# KiCad board PCB0150.kicad_pcb (continued)
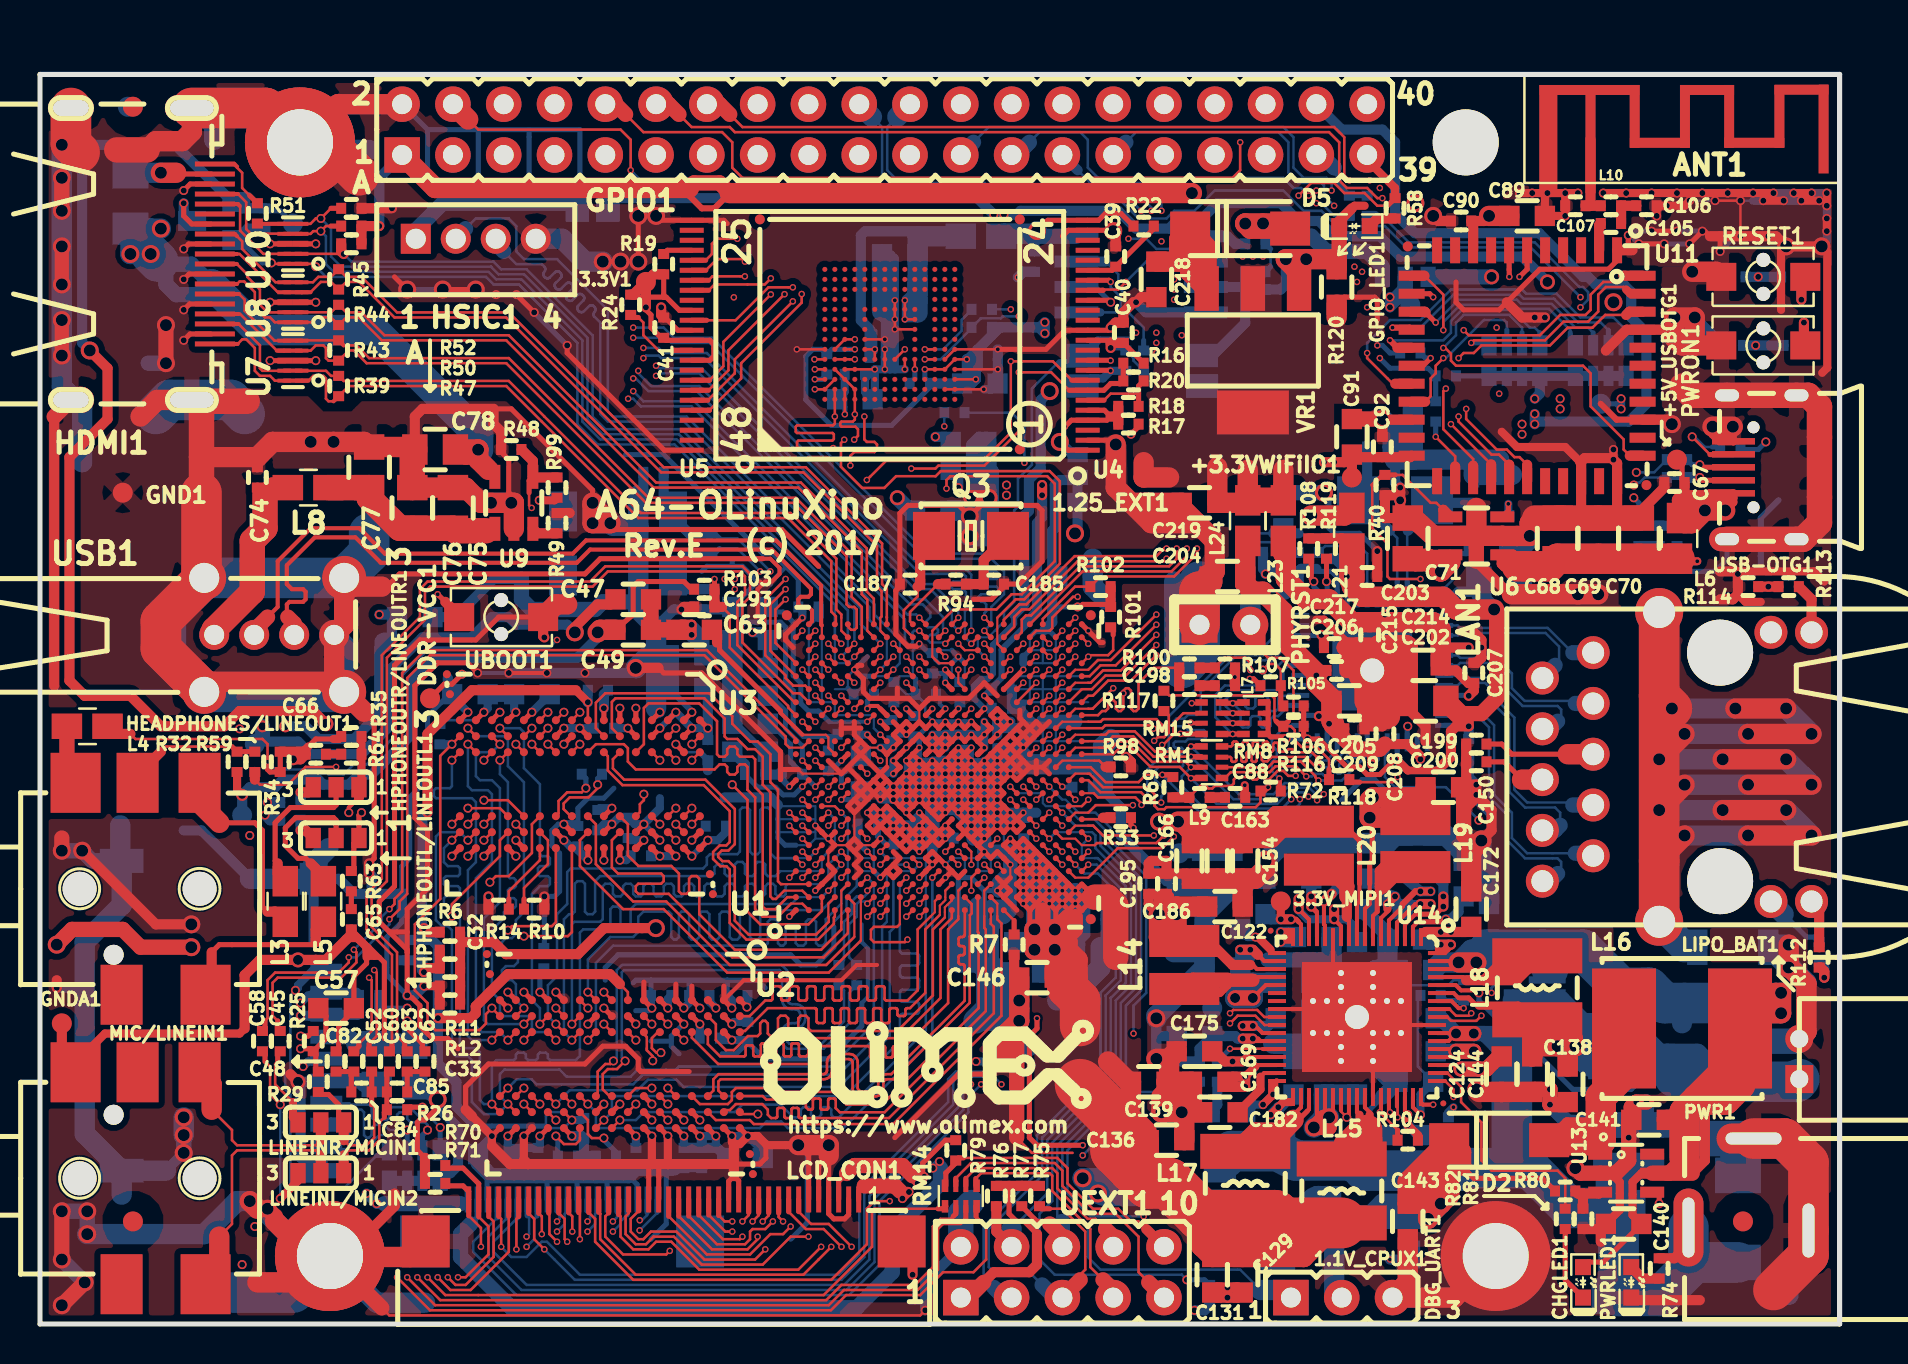
[diagram p0: board, top side]
## Routing (per net, layer and track width the routed paths; a pad name or vN(x,y) marks a point on that pad's centre or on a via; arc(x,y) is an arc through that point) (continued)
  In1.Cu w0.107: 52.1,26.55 48.2,26.55 v5(47.88,26.22) ; 52.1,26.55 53.07,26.55 ; 52.1,26.55 52.1,25.9 ; 48.85,24.6 49.5,24.6 ; 48.85,24.6 48.85,23.95 ; 48.85,24.6 v4(48.53,24.92) ; 49.5,24.6 53.07,24.6 ; 49.5,24.6 49.5,23.95 ; 49.5,23.95 50.15,23.95 ; 49.5,23.95 49.5,23.3 ; 50.15,23.95 51.45,23.95 ; 50.15,23.95 50.15,29.15 ; 52.1,23.95 52.75,23.95 ; 52.1,23.95 51.45,23.95 ; 52.1,23.95 52.1,23.3 ; 52.1,23.3 50.8,23.3 ; 52.1,23.3 52.75,23.3 ; 52.1,23.3 52.1,22.65 ; 50.8,23.3 50.15,23.3 50.15,22.65 ; 50.8,23.3 50.8,29.15 ; 50.8,23.3 50.8,22.65 ; 50.8,22.65 51.12,22.65 ; 50.8,22.65 50.8,22 ; 51.12,22.65 51.45,22.65 ; 51.12,22.65 51.12,22 51.45,22 ; 51.45,22.65 52.1,22.65 ; 51.45,22.65 51.45,23.95 ; 51.45,22 53.07,22 ; 51.45,22 51.45,20.7 ; 48.85,23.95 48.85,22 ; 48.85,23.95 48.2,23.95 ; 48.85,22 48.85,20.7 ; 48.85,22 50.8,22 ; 48.2,23.95 47.55,23.95 ; 48.2,23.95 U1.U7 v4(48.53,24.92) ; 48.2,23.95 U1.U2 ; 47.55,23.95 U1.R6 ; 47.55,23.95 47.55,21.03 ; U1.R6 46.25,23.95 ; U1.R6 46.9,22.65 ; 46.25,23.95 45.6,23.95 ; 46.25,23.95 46.25,21.35 45.93,21.35 ; 45.6,23.95 44.95,23.95 ; 45.6,23.95 45.6,23.3 ; 44.95,23.95 44.3,23.95 ; 44.95,23.95 44.95,24.6 ; 44.95,23.95 44.95,20.05 ; 44.3,23.95 U1.G6 ; 44.3,23.95 44.3,21.35 ; 44.3,23.95 44.3,24.6 ; U1.G6 38.45,23.95 ; U1.G6 41.7,19.72 ; 43.65,22 U1.K8 v4(43.32,25.58) 43,25.25 43,19.72 ; 43.65,22 43.65,19.72 ; 43.65,22 41.05,22 ; 38.45,23.95 37.8,23.95 ; 38.45,23.95 38.45,32.4 ; 38.45,23.95 38.45,21.35 ; 37.8,23.95 36.82,23.95 ; 37.8,23.95 37.8,21.35 ; 39.75,22.65 U1.L4 v4(43.97,22.33) ; 39.75,22.65 37.15,22.65 ; 39.75,22.65 39.75,31.75 ; 37.15,23.3 U1.L5 v4(44.62,22.97) ; 37.8,24.6 U1.P7 v5(46.57,24.92) ; 37.8,24.6 36.82,24.6 ; 37.8,24.6 37.8,27.53 ; 41.7,25.25 U1.M8 v4(45.28,25.58) ; 41.7,25.25 41.05,25.25 ; 41.7,25.25 41.7,27.85 ; 41.05,25.25 36.82,25.25 ; 41.05,25.25 41.05,25.9 ; 42.35,27.85 43,27.85 v4(43.32,27.53) ; 42.35,27.85 41.7,27.85 ; 42.35,27.85 U1.H13 ; U1.H13 37.47,28.5 ; U1.H13 v4(42.68,28.83) ; 37.15,29.15 U1.J14 v4(43.32,29.47) ; U1.J15 42.35,29.8 ; U1.J15 43,31.42 ; U1.J15 v4(43.32,29.47) ; 42.35,29.8 40.4,29.8 ; 42.35,29.8 42.35,33.7 ; 45.6,29.15 43.65,29.15 v4(43.32,29.47) ; 45.6,29.15 46.25,29.15 ; 45.6,29.15 45.6,30.12 ; U1.R15 48.2,29.8 ; U1.R15 v4(46.57,30.12) 46.9,30.45 ; U1.R15 46.9,29.15 ; 48.2,29.8 51.78,29.8 ; 48.2,29.8 48.2,30.45 ; 41.05,31.1 41.05,31.75 ; 41.05,31.1 41.05,30.45 ; 41.05,31.1 40.4,31.1 ; 41.05,31.75 41.05,33.7 ; 41.05,31.75 40.4,31.75 ; 41.05,33.7 41.05,35.65 ; 41.05,33.7 37.15,33.7 ; 45.6,30.12 45.6,32.4 ; 45.6,30.12 v4(45.28,30.12) ; 45.6,32.4 45.6,35.97 ; 45.6,32.4 44.95,32.4 ; 46.25,30.12 46.25,35.97 ; 46.25,30.12 46.25,29.15 ; 46.25,30.12 v4(45.93,30.12) ; 46.9,30.45 46.9,31.1 ; 46.9,30.45 47.55,30.45 ; 46.9,31.1 46.9,32.4 ; 46.9,31.1 47.55,31.1 ; 44.95,31.42 44.95,28.5 v4(45.28,28.17) ; 48.85,31.1 U1.V14 v4(49.18,28.83) ; 48.85,31.1 48.85,31.75 ; 48.85,31.1 51.78,31.1 ; 49.5,29.15 50.15,29.15 ; 49.5,29.15 47.55,29.15 ; 49.5,29.15 49.5,30.45 ; 50.15,29.15 50.8,29.15 ; 50.15,29.15 50.15,35 ; 50.8,29.15 51.45,29.15 ; 50.8,29.15 50.8,34.35 ; 48.85,31.75 48.85,34.35 ; 48.85,31.75 51.78,31.75 ; 48.85,34.35 48.85,35.97 ; 48.85,34.35 44.95,34.35 ; 46.9,32.4 46.9,35.97 ; 46.9,32.4 52.1,32.4 ; 41.05,27.2 41.05,30.45 ; 41.05,27.2 41.05,26.55 ; 41.05,27.2 36.82,27.2 ; 41.05,30.45 40.4,30.45 ; 41.05,30.45 41.7,30.45 ; 41.05,26.55 41.05,25.9 ; 41.05,26.55 36.82,26.55 ; 41.05,25.9 39.1,25.9 ; 40.4,31.75 39.75,31.75 ; 40.4,31.75 40.4,35.65 ; 39.75,31.75 39.1,31.75 ; 39.75,31.75 39.75,33.05 ; 39.1,31.75 37.47,31.75 ; 39.1,31.75 39.1,25.9 ; 39.1,31.75 39.1,32.4 ; 53.07,25.25 U1.V8 v4(48.53,24.92) ; 49.5,25.9 52.1,25.9 ; 49.5,25.9 49.5,27.2 48.85,27.2 ; 49.5,25.9 v4(49.18,25.58) ; 52.1,25.9 53.07,25.9 ; 41.7,27.85 37.15,27.85 ; 41.7,27.85 41.7,30.45 ; 43,31.42 43,35 ; 43,31.42 43.65,31.42 43.65,32.4 ; 43.65,32.4 43.65,35 ; 43.65,32.4 41.7,32.4 ; 46.25,29.15 46.9,29.15 ; 46.9,29.15 47.55,29.15 ; 47.55,29.15 47.55,30.45 ; 49.5,30.45 49.5,34.67 ; 49.5,30.45 48.2,30.45 ; 47.55,30.45 48.2,30.45 ; 38.45,34.35 38.45,35 v4(38.12,35.33) ; 38.45,34.35 38.45,33.05 ; 38.45,34.35 39.1,34.35 ; 39.1,25.9 37.15,25.9 ; 41.7,30.45 41.7,32.4 ; 41.7,32.4 41.7,33.7 ; 44.3,21.35 44.3,20.7 ; 44.3,21.35 41.05,21.35 ; 44.3,20.7 44.3,19.72 ; 44.3,20.7 41.05,20.7 ; 38.45,33.05 38.45,32.4 ; 38.45,33.05 39.75,33.05 ; 38.45,32.4 39.1,32.4 ; 39.75,33.05 39.75,34.67 ; 39.1,32.4 39.1,34.35 ; 39.1,34.35 39.1,35 ; 41.7,33.7 41.7,35.65 ; 41.7,33.7 42.35,33.7 ; 43.65,35 43.65,35.65 ; 43.65,35 47.55,35 ; 52.1,34.35 U1.AC23 51.45,35 51.45,33.05 41.05,33.05 v4(40.72,32.72) ; 52.1,34.35 52.1,33.05 52.75,33.05 ; 52.1,34.35 50.8,34.35 ; 50.8,34.35 50.8,35.65 ; 48.85,27.2 48.85,25.58 ; 48.85,27.2 v4(48.53,27.53) ; 45.6,23.3 45.6,21.03 ; 45.6,23.3 49.5,23.3 ; 49.5,23.3 49.5,20.7 ; 52.1,22.65 52.75,22.65 ; 46.9,22.65 46.9,21.35 ; 46.9,22.65 50.15,22.65 ; 50.15,22.65 50.15,20.7 ; 50.8,22 50.8,20.7 ; U1.U2 48.2,20.7 ; U1.U2 52.1,21.35 ; 40.4,31.1 37.47,31.1 ; 40.4,31.1 40.4,30.45 ; 40.4,30.45 37.47,30.45 ; 42.35,33.7 42.35,35.65 ; 42.35,33.7 52.75,33.7 ; v4(47.88,28.17) U1.T13
  In1.Cu w0.127: U2.P9 U2.M9 ; U2.P9 24.6,15.4 ; U2.P9 v3(24.2,9.4) ; U2.M9 27,9.8 ; U2.M9 26.2,15.4 ; 25.4,15.4 25.4,16.2 v3(25.8,16.6) U2.M1 28.6,16.2 ; 25.4,15.4 25.4,11.4 ; 25.4,15.4 24.6,15.4 ; 25.4,15.4 26.2,15.4 ; 25.4,11.4 25.4,10.6 ; 25.4,11.4 22.9,11.4 ; 24.6,15.4 23.8,15.4 ; 23.8,15.4 23.2,15.4 ; 23.8,15.4 23.8,14.6 ; 26.2,15.4 27,15.4 ; 27,15.4 27.8,15.4 ; 27,15.4 27,9.8 ; 27,9.8 27.8,9.8 ; 27.8,15.4 30.2,15.4 ; 27.8,15.4 27.8,9.8 ; 27.8,15.4 27.8,17.5 ; 27.8,9.8 28.6,9.8 ; 30.2,15.4 31,15.4 ; 30.2,15.4 30.2,14.6 ; 28.6,9.8 32.6,9.8 ; 28.6,9.8 U2.J8 v3(29,11) 29.4,11.4 30.2,11.4 ; 32.6,9.8 33.4,9.8 ; 32.6,9.8 32.6,9.1 ; 25.4,10.6 25.4,9.1 ; 25.4,10.6 U2.G8 ; v3(32.2,10.2) U2.E8 31,10.6 ; 31,10.6 U2.G8 ; 31,10.6 31,12.2 ; 30.2,11.4 31.8,11.4 ; 30.2,11.4 U2.G8 ; 23.8,14.6 23.8,9.9 ; 23.8,14.6 30.2,14.6 ; v3(34.6,14.2) U2.B3 30.2,14.6 ; 31,15.4 U2.E2 ; 31,15.4 31,14.5 ; 23,14.9 U2.T9 v3(22.6,9.4) ; 33.4,9.8 U2.B9 ; 33.4,9.8 33.4,9.1 ; U3.T9 21,25.4 ; U3.T9 v3(20.6,23.4) ; U3.T9 21.8,23.8 ; 21,25.4 33,25.4 33,24.6 ; 21,25.4 21,28.6 ; v3(29.4,29.8) 29,29.4 21,29.4 21,28.6 ; 33,24.6 20.2,24.6 ; 33,24.6 v3(33.4,24.2) U3.A9 U3.B9 ; 21,28.6 22.6,28.6 ; 21,28.6 20.3,28.6 ; 33,29.4 33,28.6 26.6,28.6 ; 33,29.4 33,30.2 31.4,30.2 ; 33,29.4 32.2,29.4 ; U3.B9 21.8,23.8 ; U3.B9 32.2,29.4 ; v3(32.6,30.6) U3.B1 32.2,29.4 ; 31.4,30.2 31.4,22.8 ; 31.4,30.2 25,30.2 ; 26.6,28.6 25.8,28.6 ; 26.6,28.6 26.6,31.1 ; 25.8,28.6 25,28.6 ; 25.8,28.6 25.8,31.1 ; 25,28.6 24.2,28.6 ; 25,28.6 25,30.2 ; 24.2,28.6 23.4,28.6 ; 24.2,28.6 U3.M1 v3(24.6,30.6) 25,30.2 ; 23.4,28.6 22.6,28.6 ; 23.4,28.6 23.4,30.2 v3(23,30.6) ; 22.6,28.6 22.6,27.7 ; 21.8,23.8 21.8,26.7
  In1.Cu w0.508: v3(7.19,49.2) 6.9,48.91 6.9,48.8
  In1.Cu w0.762: v2(6.3,49.96) 6.9,49.36 6.9,48.82 ; v2(11.38,5.77) 9.98,5.77 8.97,4.75 8.97,1.58
  In1.Cu w1.016: 6.9,48.91 6.9,47.7 ; 7.45,46.22 6.9,46.22 6.9,47.7 ; 6.9,47.7 6.9,47 6.12,46.22 4.27,46.22 ; 1.35,46.22 1.05,46.22 4.27,46.22 ; 3,60.6 2.78,60.82 1.05,60.82 1.35,60.82 ; 3,60.6 6.68,60.6 6.9,60.82 7.45,60.82 ; 3,60.6 3,49.96 4.27,48.7 4.27,46.22 ; 9.22,45.26 8.27,46.22 7.85,46.22 8.58,46.96 8.58,47.68 ; 1.22,43.61 1.22,45.69 1.75,46.22 1.47,46.49 1.47,47.68 ; 7.95,58.47 7.95,60.72 7.85,60.82 ; 1.35,58.6 1.35,60.42 1.75,60.82 ; 21.28,1.07 16.79,1.07 14.5,3.35
  In1.Cu w1.27: 17.47,33.45 16.46,34.47 USB1.4
  In1.Cu w2.032: 82.63,12.5 82.63,10.59 83.94,9.28 87.37,9.28 ; 67.51,19.23 67.51,17.01 U14.69 ; 64.08,18.85 64.08,17.13 U14.69 ; 63.32,16.18 65.04,16.18 U14.69 ; 62.94,14.53 65.04,14.53 U14.69 ; 62.69,12.88 63.39,12.88 U14.69 ; 64.97,12.24 64.97,14.47 U14.69 ; 66.62,12.5 66.62,14.59 U14.69 ; 68.91,12.75 68.47,12.75 U14.69 ; 69.04,14.66 66.56,14.66 U14.69 ; 69.42,16.31 66.81,16.31 U14.69 ; 8.97,1.58 12.67,1.58 Mounting_hole2.0 14.5,3.35 ; 14.5,3.35 14.5,7.72 ; 14.5,3.35 16.46,3.35 17.73,4.62 19.51,4.62 ; 18.11,30.66 16.17,30.66 USB1.0 USB1.0 ; 17.73,37.52 17.6,37.52 17.4,37.32 USB1.0 USB1.0 ; HDMI1.0 11.09,60.82 12.9,59 ; 12.52,55.42 12.52,58.62 12.9,59 ; 15.57,55.68 15.57,56.34 12.98,58.93 ; 12.98,58.93 11.84,58.93 9.6,56.69 ; 12.98,58.93 12.9,59 ; U14.69 65.86,19.23 ; 57.99,36.88 PHYRST1.1 57.99,33.45
  In1.Cu w2.54: Mounting_hole3.0 12.9,59 14.91,61.01 GPIO1.2
  In2.Cu w0.107: 43.65,23.3 43.65,22.65 43,22.65 ; 43.65,23.3 43.65,23.95 43.65,24.6 ; 43.65,23.3 47.55,23.3 ; U1.K8 v4(43.32,25.58) 43,25.58 43,23.95 45.6,23.95 ; U1.K8 43.65,24.6 ; U1.K8 45.6,25.25 ; v5(44.62,26.22) U1.L9 U1.L5 v4(44.62,22.97) ; v4(45.28,25.58) U1.M8 44.95,23.3 v4(45.28,22.97) 45.6,23.3 45.6,23.95 ; 45.6,23.95 45.6,24.6 ; 45.6,25.25 v4(45.93,25.58) ; 45.6,25.25 45.6,24.6 ; 46.25,22 U1.P7 v5(46.57,24.92) ; 46.9,22.65 U1.R5 v4(47.22,23.62) 47.55,23.3 ; 46.9,22.65 46.9,22 ; 46.9,22.65 47.55,22.65 ; 47.55,23.3 47.55,22.65 ; 47.55,22.65 47.55,22 ; 51.45,34.35 52.1,34.35 v4(52.43,34.67) ; 51.45,34.35 47.88,34.35 ; 51.45,34.35 51.45,35 U1.AC23 ; 43.65,24.6 45.6,24.6 ; U1.D7 40.4,24.6 ; U1.D7 v4(39.43,24.28) 39.75,23.95 ; U1.D7 39.75,25.25 ; 40.4,24.6 40.4,25.25 ; 40.4,24.6 40.4,23.95 ; 39.75,23.3 40.4,23.3 40.4,23.95 ; 39.75,23.3 39.75,23.95 ; 39.75,23.3 39.75,22.65 40.4,22.65 ; 40.4,23.95 39.75,23.95 ; 39.75,25.9 38.78,25.9 38.78,25.25 ; 39.75,25.9 39.75,25.25 ; 39.75,25.9 39.75,26.55 ; 39.75,25.9 40.4,25.9 40.4,25.25 ; 38.78,25.25 v4(38.78,24.92) ; 38.78,25.25 39.75,25.25 ; 40.4,25.25 39.75,25.25 ; U1.R15 46.9,29.15 v4(46.57,28.83) ; U1.R15 46.9,30.45 ; U1.R15 47.55,29.8 ; U1.R15 46.25,29.8 ; 46.9,31.1 48.85,31.1 48.85,34.67 ; 46.9,31.1 46.9,30.45 ; 46.9,31.1 46.9,31.75 47.55,31.75 ; 46.9,30.45 47.55,30.45 ; 44.95,28.5 U1.M15 U1.N15 ; U1.N15 46.25,29.8 ; U1.N15 U1.N13 ; 46.25,29.8 46.25,28.83 ; 41.7,25.25 41.7,26.22 v4(42.03,26.22) ; 43.65,22 42.35,22 v4(42.03,22.33) ; 47.55,29.15 44.3,29.15 v4(43.97,28.83) ; 47.55,29.15 48.2,29.15 ; 47.55,29.15 47.55,29.8 ; 47.55,29.8 48.2,29.8 ; 47.55,29.8 47.55,30.45 ; 48.2,29.8 48.85,29.8 ; 48.2,29.8 48.2,30.45 ; 47.88,34.35 48.2,34.35 47.88,34.35 ; 50.8,35 50.8,33.7 50.15,33.7 ; 49.5,35 49.5,33.05 47.88,33.05 ; 50.15,33.7 47.88,33.7 ; 50.15,33.7 50.15,35 ; 47.55,30.45 48.2,30.45 ; 48.2,30.45 49.18,30.45 ; 39.75,26.55 39.75,27.2 ; 39.75,26.55 40.4,26.55 ; 42.35,27.85 43,27.85 v4(43.32,28.17) ; 48.85,25.9 48.85,26.55 ; 48.85,26.55 48.85,27.2 ; 48.85,26.55 48.2,26.55
  In2.Cu w0.127: v4(48.53,25.58) 48.85,25.9
  In2.Cu w0.203: 33.35,33.71 33.25,33.81 32.59,33.81 32.08,34.32 v3(32.08,35.74) ; 29.29,34.98 28.91,34.98 28.52,35.36 26.24,35.36 v3(25.22,34.34) ; 36.65,37.21 37.03,37.59
  In2.Cu w0.254: v4(43.97,22.33) 43.65,22.65 ; v4(43.97,22.33) 44.62,21.67 ; v4(43.97,22.33) v4(44.62,22.97) ; v4(43.97,22.33) 43.65,22 ; 39.55,21.11 40.54,22.1 40.54,23.16 40.4,23.3 ; 37.54,27.86 37.41,27.99 37.41,28.75 36.4,29.77 35.25,29.77 34.42,30.6 v3(32.6,30.6) ; 37.03,37.59 37.03,38.15 35.89,38.15 ; 20.02,27.36 20.02,29.22 v3(21.4,30.6) ; 11.12,17.07 11.76,16.43 11.76,13.26 v1(12.9,12.12) ; 39.6,41.65 39.6,37.67 38.12,36.2 v4(38.12,35.33) 37.32,35.33 36.65,35.99 36.65,37.21 ; v2(21.79,51.74) 22.56,51.74 v3(22.81,51.49) ; 1.05,46.22 1.05,43.82 0.59,43.36 0.59,24.69 1.09,24.18 v2(1.09,23.67) ; v3(32.08,35.74) 31.44,36.37 23.95,36.37 23.44,36.88 22.68,36.88 20.65,34.85 20.27,34.85 17.98,32.56 17.98,29.52 15.82,27.36 15.19,27.36 13.92,26.09 13.92,18.21 15.44,16.69 15.95,16.69
  In2.Cu w0.508: 17.98,47.04 15.06,44.12 v2(14.68,44.12) ; 9.09,30.74 9.09,24.94 11.12,22.91 11.12,17.07 ; v3(43.64,2.46) 45.03,3.86 UEXT1.2 ; v3(44.27,0.69) 43.76,0.69
  In2.Cu w0.711: 47.88,35.97 47.88,31.1 ; 48.53,20.7 v4(48.53,22.97) 48.53,23.62 v4(47.22,23.62)
  In2.Cu w1.016: USB1.0 7.19,36.29 7.19,32.64 USB1.0 9.09,30.74 ; 13.03,31.04 13.61,31.62 USB1.0 ; USB1.0 15.21,34.97 USB1.4 ; 19.63,40.31 20.02,40.69 22.17,40.69 v2(22.56,41.07) v2(23.57,41.07) ; v2(46.5,39.4) 46.5,38.34 47.19,37.64 55.32,37.64 PHYRST1.1 57.99,35.23 59.38,36.63
  In2.Cu w1.524: 84.54,9.28 83.43,9.28 ; 88.75,7.95 88.85,8.05 87.62,9.28 84.04,9.28
  In2.Cu w2.032: 9.73,47.17 8.78,46.22 1.75,46.22 ; 2.11,57.58 1.75,57.94 1.75,60.82 7.85,60.82 ; 19.63,40.31 16.64,37.32 USB1.0 USB1.0 ; 13.16,58.73 15.7,56.19 ; 13.16,58.73 13.03,58.6 ; 13.16,58.73 11.06,60.82 HDMI1.0 ; 12.52,55.42 12.52,58.09 12.65,58.22 ; 12.65,58.22 13.03,58.6 ; 12.65,58.22 10.87,58.22 9.86,57.2 ; 13.03,58.6 15.44,61.01 GPIO1.2 ; 64.21,15.35 63.96,15.1 ; 64.21,15.35 63.13,15.35 ; 64.21,15.35 U14.69 ; 63.96,15.1 63.96,12.75 ; 63.96,15.1 63.96,17.21 64.19,17.44 ; U14.69 68.21,15.35 67.89,15.04 ; U14.69 65.86,17.79 65.85,17.8 ; U14.69 65.86,11.99 ; U14.69 66.05,15.35 ; 67.63,17.92 67.89,17.65 67.89,15.04 ; 67.89,15.04 67.89,12.62
  In3.Cu w0.107: 49.5,23.95 49.5,20.7 ; 49.5,23.95 50.15,23.3 ; 49.5,23.95 48.85,24.6 ; 49.5,20.7 50.15,20.7 ; 49.5,20.7 48.85,20.7 ; 50.15,20.7 50.15,23.3 ; 50.15,20.7 50.8,20.7 ; 50.15,23.3 48.85,23.3 ; 50.15,23.3 50.47,22.97 ; 48.85,22.97 48.85,23.3 ; 48.85,22.97 v4(48.53,22.97) ; 48.85,22.97 48.85,22.65 ; 48.85,23.3 48.85,24.6 ; 48.85,23.3 U1.U5 ; 48.85,24.6 v4(48.53,24.92) U1.U7 U1.U5 ; 48.85,20.7 48.85,21.35 ; 48.85,20.7 48.2,20.7 48.2,22 ; 50.8,22.65 50.8,20.7 ; 50.8,22.65 50.47,22.97 ; 50.8,22.65 48.85,22.65 ; 50.8,22.65 51.45,22 ; 50.8,20.7 51.45,20.7 ; 51.45,22 51.45,21.35 ; 51.45,22 48.85,22 ; 51.45,21.35 51.45,20.7 ; 51.45,21.35 48.85,21.35 ; 51.45,21.35 52.1,21.35 52.1,20.7 51.45,20.7 ; 48.85,22 48.85,21.35 ; 48.85,22 48.85,22.65 ; 48.85,22 48.2,22 ; 48.85,22.65 48.2,22.65 ; U1.U5 48.2,22.65 ; 48.2,22 48.2,22.65 ; 41.7,29.15 41.7,31.1 ; 41.7,29.15 v4(42.03,28.83) ; 41.7,29.15 41.05,28.5 38.45,28.5 ; U1.J15 43.32,29.8 v4(43.32,29.47) ; U1.J15 40.4,29.8 ; U1.J15 43,30.45 ; 44.95,30.12 44.95,32.4 45.6,32.4 ; 44.95,30.12 v4(44.62,30.12) ; 44.95,30.12 44.95,28.5 ; 51.78,29.15 43.97,29.15 v4(43.97,28.83) ; 45.6,30.12 U1.N13 ; 45.6,30.12 45.6,31.42 ; 45.6,30.12 v4(45.28,30.12) ; 46.25,30.12 U1.P13 ; 46.25,30.12 46.25,31.1 ; 46.25,30.12 v4(45.93,30.12) ; 46.9,30.12 U1.R15 ; 46.9,30.12 v4(46.57,30.12) ; 46.9,30.12 46.9,30.45 ; U1.R15 46.9,28.5 ; U1.R15 47.55,29.8 ; 47.55,29.8 48.2,29.8 48.2,30.45 ; 47.55,29.8 47.55,30.45 ; 47.55,29.8 U1.T13 ; 46.9,30.45 46.9,31.1 ; 46.9,30.45 47.55,30.45 ; 46.9,31.1 46.9,31.75 ; 46.9,31.1 48.85,31.1 ; 49.5,31.1 50.15,31.1 ; 49.5,31.1 48.85,31.1 ; 49.5,31.1 49.5,32.4 48.85,32.4 ; 50.15,31.1 50.8,31.1 ; 50.15,31.1 50.15,28.5 ; 48.85,32.4 48.85,31.1 ; 48.85,32.4 48.2,32.4 ; U1.K8 44.3,25.25 ; U1.K8 v4(43.32,25.58) ; U1.K8 43.65,24.6 ; 44.3,25.25 U1.P8 ; 44.3,25.25 44.3,23.95 ; 43.65,24.6 44.95,24.6 ; 43.65,24.6 43.65,23.95 44.3,23.95 ; 43.65,24.6 43,24.6 43,25.25 41.7,25.25 41.7,25.9 ; 44.95,24.6 46.57,24.6 ; 44.95,24.6 44.95,23.95 ; 44.3,23.95 44.95,23.95 ; 44.95,23.95 47.55,23.95 ; 38.45,28.5 36.5,28.5 ; 38.45,28.5 38.45,27.53 ; 39.75,26.55 40.72,26.55 41.05,26.88 ; 39.75,26.55 39.1,26.55 ; 39.75,26.55 39.75,27.53 ; 39.75,26.55 39.75,25.9 40.4,25.9 ; 43,30.45 43,31.1 ; 43,30.45 41.05,30.45 41.05,31.1 ; 42.35,27.85 43,27.85 v4(43.32,27.53) ; 42.35,27.85 41.7,27.85 ; 42.35,27.85 U1.H13 ; 38.45,27.53 38.45,27.85 38.45,27.53 ; 38.45,27.53 38.45,27.2 38.45,27.53 ; 38.45,27.53 38.45,26.55 ; 37.8,26.55 36.5,26.55 ; 37.8,26.55 38.45,26.55 ; 37.8,26.55 37.8,27.53 ; 38.45,26.55 39.1,26.55 ; 39.1,26.55 39.1,27.53 ; 39.1,27.53 39.1,27.2 39.1,27.53 ; 39.75,27.53 39.75,27.2 39.75,27.53 ; 47.55,30.45 48.2,30.45 ; 48.2,30.45 48.85,30.45 ; 48.85,27.2 48.85,26.55 48.2,26.55 v5(47.88,26.22) ; 50.8,31.1 52.43,31.1 ; 50.8,31.1 50.8,28.5 ; 50.47,22.97 50.8,23.3 ; 50.8,23.3 50.8,23.95 50.15,23.95 ; 50.8,23.3 52.1,23.3 ; 52.1,23.3 52.75,23.3 ; 52.1,23.3 52.1,22.65 ; 51.45,22.65 51.45,23.95 51.12,24.28 ; 46.25,32.4 46.25,33.05 v4(45.93,33.38) ; 36.5,30.45 38.45,30.45 38.45,29.47 ; 38.45,29.47 38.45,29.8 38.45,29.47
  In3.Cu w0.127: U3.B9 31.4,23.8 ; U3.B9 v3(32.6,23.4) ; U3.B9 U3.B1 ; 31.4,23.8 31.4,22.8 ; 31.4,23.8 31.4,24.6 ; 33.5,24.6 33.5,24.3 v3(33.4,24.2) ; 33.5,24.6 33.5,25.4 31.4,25.4 ; 33.5,24.6 31.4,24.6 ; U3.B1 v3(32.6,30.6) 33,30.2 33,29.4 ; U3.B1 31.4,30.2 ; 31.4,30.2 v3(31,30.6) ; 31.4,30.2 31.4,24.6 ; 33,29.4 30.6,29.4 ; 33,29.4 33,28.6 30.5,28.6 ; 25,28.6 25.8,28.6 v3(26.2,29) ; 25,28.6 24.2,28.6 ; 25,28.6 25,30.2 ; U3.J2 29,29.4 v3(29.4,29.8) ; U3.J2 25.8,29.4 ; U3.J2 26.6,30.9 ; 25,30.2 27.6,30.2 v3(28.2,30.8) ; 25,30.2 23.4,30.2 ; 21,29.4 20.2,29.4 ; 21,29.4 25.8,29.4 ; 21,29.4 21,28.5 ; U3.P1 20.3,30.2 ; U3.P1 23.4,30.2 ; U3.P1 22.6,27.6 ; 23.4,28.6 20,28.6 ; 23.4,28.6 24.2,28.6 ; 23.4,28.6 23.4,30.2 ; 24.2,28.6 24.2,31 ; 25.8,29.4 25.8,30.9
  In3.Cu w0.254: 53.29,8.43 64.72,8.43 65.99,9.7 65.99,10.4 65.29,11.1 63.7,11.1 62.43,9.83 57.86,9.83 v2(57.1,10.59) ; 50.8,23.95 51.12,24.28 ; v3(35.4,9.4) 35.86,8.94
  In3.Cu w0.305: v3(35.4,9.4) 34.69,8.69 23.31,8.69 v3(22.6,9.4)
  In3.Cu w0.508: v3(61.29,37.52) 60.78,37.52 58.24,34.98 PHYRST1.1 ; v3(43.64,2.46) 45.03,3.86 UEXT1.2 ; v2(39.45,8.95) 39.83,8.95 46.69,15.8 ; v3(31.06,50.85) 31.06,48.56 31.44,48.18 31.44,47.04
  In3.Cu w0.711: 40.4,27.53 36.18,27.53 ; 36.82,29.47 40.07,29.47 40.4,29.8 ; v5(42.68,26.88) 41.05,26.88
  In3.Cu w0.762: 41.05,26.88 40.4,27.53 ; 11.76,5.26 11.76,5.39 v2(11.38,5.77) 11,6.15 v2(10.49,6.15) ; v2(39.45,8.95) v2(37.92,8.95) 35.86,8.95 35.86,8.94
  In3.Cu w1.016: 11.76,5.26 13.67,3.35 14.55,3.35 14.55,4.62 13.41,5.77 ; USB1.4 16.46,34.47
  In3.Cu w1.524: 87.88,2.46 88.75,3.33 88.75,7.58 87.04,9.28
  In3.Cu w2.032: 2.05,56.45 2.05,60.52 1.75,60.82 7.85,60.82 ; 10.5,45.4 9.68,46.22 1.75,46.22 ; 81.35,8.67 84.44,8.67 85.04,9.28 ; 5.28,31.04 5.86,31.62 USB1.0 USB1.0 17.42,31.62 17.73,31.93 ; 6.81,38.15 7.64,37.32 USB1.0 USB1.0 15.63,37.32 16.71,38.41 ; 13.16,58.98 15.19,61.01 GPIO1.2 ; 13.16,58.98 13.03,58.85 9.56,58.85 HDMI1.0 ; 13.16,58.98 15.7,56.44 ; 13.16,58.98 13.16,57.71 11.12,55.68 ; PHYRST1.1 57.99,33.33 ; 67.77,15.35 67.77,17.7 ; 67.77,15.35 67.77,12.62 ; 67.77,15.35 U14.69 65.86,12.74 65.86,12.74
  In4.Cu w0.107: 50.15,24.6 49.18,24.6 49.18,25.25 ; 50.15,24.6 53.4,24.6 ; 50.15,24.6 50.15,23.95 50.8,23.95 ; 49.18,25.25 v4(49.18,25.58) ; 49.18,25.25 49.5,25.25 ; 49.5,25.25 53.07,25.25 ; 49.5,25.25 49.5,25.9 ; 49.5,26.55 50.15,26.55 ; 49.5,26.55 49.5,25.9 ; 49.5,26.55 48.85,26.55 ; 50.15,26.55 50.8,26.55 ; 50.15,26.55 50.15,25.9 ; 49.5,25.9 50.15,25.9 ; 48.85,26.55 48.85,27.2 v4(48.53,27.53) ; 48.85,26.55 48.2,26.55 ; 48.85,26.55 48.85,25.9 ; 50.8,23.95 53.4,23.95 ; 50.8,23.95 50.8,23.3 51.45,23.3 ; 50.8,23.95 50.8,26.55 ; 51.45,23.3 53.07,23.3 ; 51.45,23.3 51.45,22.65 52.1,22.65 ; 51.45,23.3 51.45,26.55 ; 52.1,22.65 52.75,22.65 ; 52.1,22.65 52.1,26.55 ; 50.8,26.55 51.45,26.55 ; 51.45,26.55 52.1,26.55 ; 52.1,26.55 52.43,26.55 ; 50.15,25.9 52.43,25.9